# KiCad board Decent1200.kicad_pcb
title: Decent1200 keyboard; date: 2023-11-20; rev: 3; company: Decent Consulting
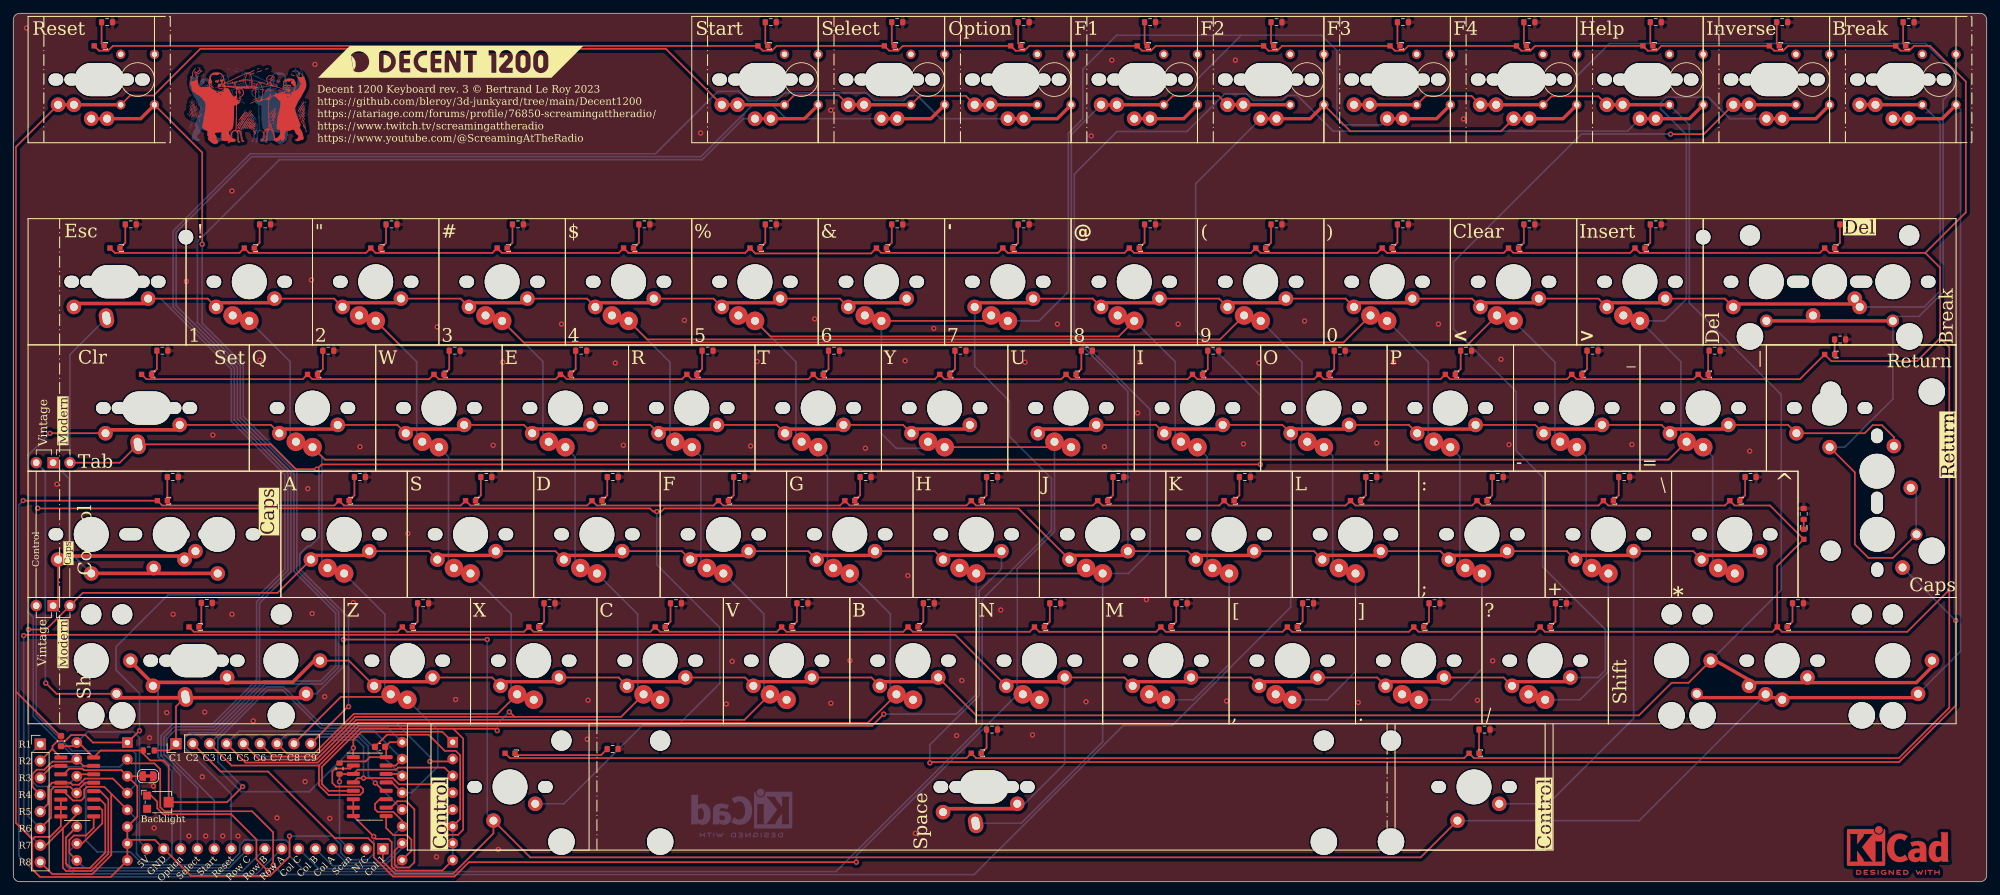
[diagram p0: board, top side]
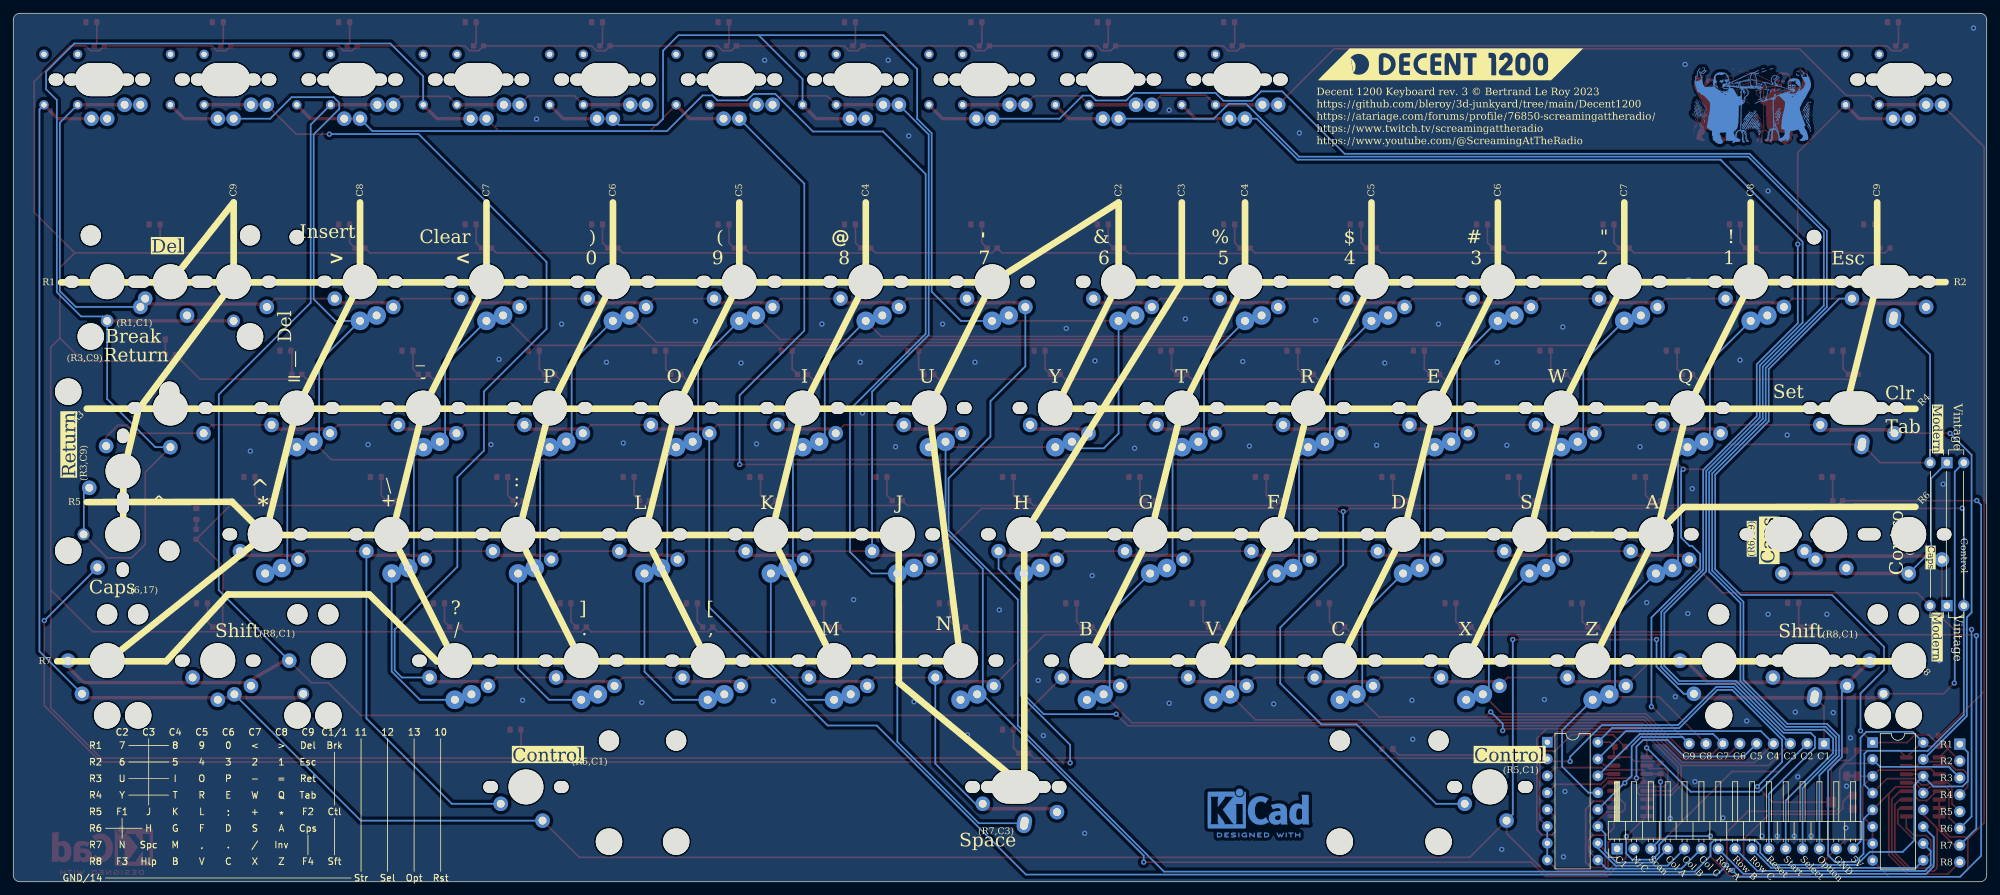
[diagram p1: board, bottom side, seen from below]

Outline 297.36 x 131 mm; copper layers: Top, Bottom. Coordinates in mm from the lower left corner of the outline.
Outline path: 0,130 arc(0.29,130.71) 1,131 296.36,131 arc(297.07,130.71) 297.36,130 297.36,1 arc(297.07,0.29) 296.36,0 1,0 arc(0.29,0.29) 0,1 0,130

## Placement (name value [footprint] x y rotation side)
C1  100nF  [C_0603_1608Metric]  7.19 21.22 270 top
C2  100nF  [C_0603_1608Metric]  55.26 20.35 0 top
G***  DECENT 1200  [LOGO]  65.91 123.69 0 top
G***#2  LOGO  [ScreamingAtTheRadio]  35.32 118.12 0 top
G***#3  -  [ScreamingAtTheRadio]  35.32 118.13 180 bottom
G***#4  -  [LOGO]  80.8 123.31 180 bottom
J1  Conn_01x15  [PinHeader_1x15_P2.54mm_Horizontal]  55.69 4.97 90 bottom
J2  Conn_01x09_Pin  [PinHeader_1x09_P2.54mm_Vertical]  24.52 20.82 90 top
J3  Conn_01x08_Pin  [PinHeader_1x08_P2.54mm_Vertical]  4.07 20.75 0 top
JP1  Jumper_3_Bridged12  [PinHeader_1x03_P2.54mm_Horizontal]  3.46 63.21 90 top
JP2  Jumper_3_Bridged12  [PinHeader_1x03_P2.54mm_Horizontal]  3.46 41.64 90 top
JP4  SolderJumper_2_Bridged  [SolderJumper-2_P1.3mm_Bridged_RoundedPad1.0x1.5mm]  20.14 15.92 0 top
R1  R  [R_0603_1608Metric]  114.14 129.65 0 top
R2  R  [R_0603_1608Metric]  221.69 22.95 0 top
R3  R  [R_0603_1608Metric]  285.59 129.65 0 top
R4  R  [R_0603_1608Metric]  90.31 20.02 0 top
R5  R  [R_0603_1608Metric]  29.16 42.07 0 top
R6  R  [R_0603_1608Metric]  268.93 42 0 top
R7  R  [R_0603_1608Metric]  133.19 129.65 0 top
R8  R  [R_0603_1608Metric]  152.24 99.15 0 top
R9  R  [R_0603_1608Metric]  133.19 99.15 0 top
R10  R  [R_0603_1608Metric]  161.77 80.1 0 top
R11  R  [R_0603_1608Metric]  142.72 80.1 0 top
R12  R  [R_0603_1608Metric]  171.29 129.65 0 top
R13  R  [R_0603_1608Metric]  157.01 42 0 top
R14  R  [R_0603_1608Metric]  209.39 129.65 0 top
R15  R  [R_0603_1608Metric]  152.24 129.65 0 top
R16  R  [R_0603_1608Metric]  166.53 61.05 0 top
R17  R  [R_0603_1608Metric]  147.48 61.05 0 top
R18  R  [R_0603_1608Metric]  147.48 22.95 0 top
R19  R  [R_0603_1608Metric]  247.49 129.65 0 top
R20  R  [R_0603_1608Metric]  14.13 129.65 0 top
R21  R  [R_0603_1608Metric]  171.29 99.15 0 top
R22  R  [R_0603_1608Metric]  114.14 99.15 0 top
R23  R  [R_0603_1608Metric]  180.82 80.1 0 top
R24  R  [R_0603_1608Metric]  123.67 80.1 0 top
R25  R  [R_0603_1608Metric]  185.58 61.05 0 top
R26  R  [R_0603_1608Metric]  128.43 61.05 0 top
R27  R  [R_0603_1608Metric]  176.06 42 0 top
R28  R  [R_0603_1608Metric]  137.96 42 0 top
R29  R  [R_0603_1608Metric]  190.34 99.15 0 top
R30  R  [R_0603_1608Metric]  95.09 99.15 0 top
R31  R  [R_0603_1608Metric]  199.87 80.1 0 top
R32  R  [R_0603_1608Metric]  104.62 80.1 0 top
R33  R  [R_0603_1608Metric]  204.63 61.05 0 top
R34  R  [R_0603_1608Metric]  109.38 61.05 0 top
R35  R  [R_0603_1608Metric]  195.11 42 0 top
R36  R  [R_0603_1608Metric]  118.91 42 0 top
R37  R  [R_0603_1608Metric]  24.04 61.05 0 top
R38  R  [R_0603_1608Metric]  209.39 99.15 0 top
R39  R  [R_0603_1608Metric]  76.04 99.15 0 top
R40  R  [R_0603_1608Metric]  218.92 80.1 0 top
R41  R  [R_0603_1608Metric]  85.57 80.1 0 top
R42  R  [R_0603_1608Metric]  223.68 61.05 0 top
R43  R  [R_0603_1608Metric]  90.33 61.05 0 top
R44  R  [R_0603_1608Metric]  214.16 42 0 top
R45  R  [R_0603_1608Metric]  99.86 42 0 top
R46  R  [R_0603_1608Metric]  228.44 99.15 0 top
R47  R  [R_0603_1608Metric]  56.99 99.15 0 top
R48  R  [R_0603_1608Metric]  237.97 80.1 0 top
R49  R  [R_0603_1608Metric]  66.52 80.1 0 top
R50  R  [R_0603_1608Metric]  242.73 61.05 0 top
R51  R  [R_0603_1608Metric]  71.28 61.05 0 top
R52  R  [R_0603_1608Metric]  233.21 42 0 top
R53  R  [R_0603_1608Metric]  80.81 42 0 top
R54  R  [R_0603_1608Metric]  247.49 99.15 0 top
R55  R  [R_0603_1608Metric]  37.94 99.15 0 top
R56  R  [R_0603_1608Metric]  256.36 80.11 0 top
R57  R  [R_0603_1608Metric]  47.47 80.1 0 top
R58  R  [R_0603_1608Metric]  261.78 61.05 0 top
R59  R  [R_0603_1608Metric]  52.23 61.05 0 top
R60  R  [R_0603_1608Metric]  266.54 129.65 0 top
R61  R  [R_0603_1608Metric]  61.76 42 0 top
R62  R  [R_0603_1608Metric]  276.07 99.15 0 top
R63  R  [R_0603_1608Metric]  17.7 99.15 0 top
R64  R  [R_0603_1608Metric]  275.27 81.79 0 top
R65  R  [R_0603_1608Metric]  22.47 80.1 0 top
R66  R  [R_0603_1608Metric]  190.34 129.65 0 top
R67  R  [R_0603_1608Metric]  269.78 55.48 90 top
R68  R  [R_0603_1608Metric]  228.44 129.65 0 top
R69  4k7  [R_0603_1608Metric]  49.16 17.07 270 top
R70  4k7  [R_0603_1608Metric]  20.42 19.8 0 top
REF**  -  [MountingHole_2.2mm_M2]  26.02 97.23 0 top
REF**#2  -  [MountingHole_2.2mm_M2]  254.64 97.23 0 top
REF**#3  -  [KiCad-Logo2_6mm_Copper]  283.96 5.42 0 top
REF**#4  -  [KiCad-Logo2_6mm_Copper]  109.73 11.06 180 bottom
REF**#5  -  [Atari1200XL_Matrix]  254.96 12.06 180 bottom
RV1  R_Potentiometer  [Potentiometer_Bourns_TC33X_Vertical]  21.97 12 0 top
SW0  0  [MX-1-00U-LED]  207.01 95.58 0 top
SW1  1  [MX-1-00U-LED]  35.56 95.58 0 top
SW2  2  [MX-1-00U-LED]  54.61 95.58 0 top
SW3  3  [MX-1-00U-LED]  73.66 95.58 0 top
SW4  4  [MX-1-00U-LED]  92.71 95.58 0 top
SW5  5  [MX-1-00U-LED]  111.76 95.58 0 top
SW6  6  [MX-1-00U-LED]  130.81 95.58 0 top
SW7  7  [MX-1-00U-LED]  149.86 95.58 0 top
SW8  8  [MX-1-00U-LED]  168.91 95.58 0 top
SW9  9  [MX-1-00U-LED]  187.96 95.58 0 top
SWA1  A  [MX-1-00U-LED]  49.85 57.48 0 top
SWB1  B  [MX-1-00U-LED]  135.58 38.43 0 top
SWBrk1  Break  [MX-1-00_1-25U-LED-Console]  284.4 126.08 0 top
SWC1  C  [MX-1-00U-LED]  97.48 38.43 0 top
SWComma1  Comma  [MX-1-00U-LED]  192.73 38.43 0 top
SWCps1  Caps  [MX-1-25U-CAPS-LED]  269.8 52.4 0 top
SWCtl1  Control  [MX-1-25U-LED]  74.85 19.38 0 top
SWCtl2  Control  [MX-1-25U-LED]  220.11 19.38 0 top
SWCtlCaps1  ControlCaps  [MX-1-75_2-00U-LED]  22.47 57.48 0 top
SWD1  D  [MX-1-00U-LED]  87.95 57.48 0 top
SWDash1  Dash  [MX-1-00U-LED]  235.59 76.53 0 top
SWDel2  Delete  [MX-2-00U-LED]  273.69 95.58 0 top
SWE1  E  [MX-1-00U-LED]  83.19 76.53 0 top
SWEqual1  Equal  [MX-1-00U-LED]  254.64 76.53 0 top
SWEsc1  Esc  [MX-1-00_1-25U-LED]  15.32 95.58 0 top
SWF1  F  [MX-1-00U-LED]  107 57.48 0 top
SWFn1  F1  [MX-1-00_1-25U-LED-Console]  170.1 126.08 0 top
SWFn2  F2  [MX-1-00_1-25U-LED-Console]  189.15 126.08 0 top
SWFn3  F3  [MX-1-00_1-25U-LED-Console]  208.2 126.08 0 top
SWFn4  F4  [MX-1-00_1-25U-LED-Console]  227.25 126.08 0 top
SWG1  G  [MX-1-00U-LED]  126.05 57.48 0 top
SWGT1  >  [MX-1-00U-LED]  245.11 95.58 0 top
SWH1  H  [MX-1-00U-LED]  145.1 57.48 0 top
SWHlp1  Help  [MX-1-00_1-25U-LED-Console]  246.3 126.08 0 top
SWI1  I  [MX-1-00U-LED]  178.44 76.53 0 top
SWInv1  Inverse  [MX-1-00_1-25U-LED-Console]  265.35 126.08 0 top
SWJ1  J  [MX-1-00U-LED]  164.15 57.48 0 top
SWK1  K  [MX-1-00U-LED]  183.2 57.48 0 top
SWL1  L  [MX-1-00U-LED]  202.25 57.48 0 top
SWLeftSft1  Shift  [MX-2-25_2-50U-LED]  27.23 38.43 0 top
SWLT1  <  [MX-1-00U-LED]  226.06 95.58 0 top
SWM1  M  [MX-1-00U-LED]  173.68 38.43 0 top
SWN1  N  [MX-1-00U-LED]  154.63 38.43 0 top
SWO1  O  [MX-1-00U-LED]  197.49 76.53 0 top
SWOption1  Option  [MX-1-00_1-25U-LED-Console]  151.05 126.08 0 top
SWP1  P  [MX-1-00U-LED]  216.54 76.53 0 top
SWPeriod1  Period  [MX-1-00U-LED]  211.78 38.43 0 top
SWPlus1  Plus  [MX-1-00U-LED]  240.35 57.48 0 top
SWQ1  Q  [MX-1-00U-LED]  45.09 76.53 0 top
SWR1  R  [MX-1-00U-LED]  102.24 76.53 0 top
SWReset1  Reset  [MX-1-00_1-25U-LED-Console]  12.94 126.08 0 top
SWRet1  Return  [MX-ISO-RETURN]  275.75 61.92 0 top
SWRet2  Return  [MX-1-50U-RETURN-LED]  273.69 79.53 0 top
SWRightSft1  Shift  [MX-2-75U-LED]  266.54 38.43 0 top
SWS1  S  [MX-1-00U-LED]  68.9 57.48 0 top
SWSelect1  Select  [MX-1-00_1-25U-LED-Console]  132 126.08 0 top
SWSemi1  Semicolon  [MX-1-00U-LED]  221.3 57.48 0 top
SWSlash1  Slash  [MX-1-00U-LED]  230.83 38.43 0 top
SWSpc1  Space  [MX-6-25U-LED]  145.1 19.38 0 top
SWStar1  Star  [MX-1-00U-LED]  259.4 57.48 0 top
SWStart1  Start  [MX-1-00_1-25U-LED-Console]  112.95 126.08 0 top
SWT1  T  [MX-1-00U-LED]  121.29 76.53 0 top
SWTab1  Tab  [MX-1-50_1-75U-LED]  20.08 76.53 0 top
SWU1  U  [MX-1-00U-LED]  159.39 76.53 0 top
SWV1  V  [MX-1-00U-LED]  116.53 38.43 0 top
SWW1  W  [MX-1-00U-LED]  64.14 76.53 0 top
SWX1  X  [MX-1-00U-LED]  78.43 38.43 0 top
SWY1  Y  [MX-1-00U-LED]  140.34 76.53 0 top
SWZ1  Z  [MX-1-00U-LED]  59.38 38.43 0 top
U1  4051  [SOIC-16_3.9x9.9mm_P1.27mm]  9.64 14.3 0 top
U2  4051  [SOIC-16_3.9x9.9mm_P1.27mm]  53.71 14.35 0 top
U3  4051  [DIP-16_W7.62mm]  17.19 21 180 bottom
U4  4051  [DIP-16_W7.62mm]  66.22 21.05 180 bottom

## Library data of the parts
C1 C2 = -: Description: Unpolarized capacitor; JLCPCB Part #: C14663
J1 = -: Description: Generic connector, single row, 01x15, script generated (kicad-library-utils/schlib/autogen/connector/)
J2 = -: Description: Generic connector, single row, 01x09, script generated
J3 = -: Description: Generic connector, single row, 01x08, script generated
JP1 JP2 = -: Description: Jumper, 3-pole, pins 1+2 closed/bridged
JP4 = -: Description: Solder Jumper, 2-pole, open
R1-R68 = -: Description: Resistor; JLCPCB Part #: C22775
R69 R70 = -: Description: Resistor; JLCPCB Part #: C23162
RV1 = -: Description: Potentiometer; JLCPCB Part #: C720647; JLCPCB Rotation Offset: -90
SW0-SW9 SWA1 SWB1 SWBrk1 SWC1 SWComma1 SWCtl1 SWCtl2 SWCtlCaps1 SWD1 SWDash1 SWDel2 SWE1 SWEqual1 SWEsc1 SWF1 SWFn1-SWFn4 SWG1 SWGT1 SWH1 SWHlp1 SWI1 SWInv1 SWJ1 SWK1 SWL1 SWLeftSft1 SWLT1 SWM1 SWN1 SWO1 SWOption1 SWP1 SWPeriod1 SWPlus1 SWQ1 SWR1 SWReset1 SWRet1 SWRet2 SWRightSft1 SWS1 SWSelect1 SWSemi1 SWSlash1 SWSpc1 SWStar1 SWStart1 SWT1 SWTab1 SWU1 SWV1 SWW1 SWX1 SWY1 SWZ1 = -: JLCPCB Part #: C193191; JLCPCB Rotation Offset: 180
SWCps1 = -: JLCPCB Part #: C193191; JLCPCB Rotation Offset: 270
U1-U4 = -: Description: Analog Multiplexer 8 to 1 lins; JLCPCB Part #: C21379; JLCPCB Rotation Offset: -90

## Footprints (pads in the part's own frame, mm; a bottom-side part is the same pattern mirrored in y, then rotated)
C_0603_1608Metric
  rrect 0.9x0.95 smd: 1(-0.775,0) 2(0.775,0)
DIP-16_W7.62mm
  rect 1.6x1.6 hole 0.8: 1(0,0)
  oval 1.6x1.6 hole 0.8: 2(0,-2.54) 3(0,-5.08) 4(0,-7.62) 5(0,-10.16) 6(0,-12.7) 7(0,-15.24) 8(0,-17.78) 9(7.62,-17.78) 10(7.62,-15.24) 11(7.62,-12.7) 12(7.62,-10.16) 13(7.62,-7.62) 14(7.62,-5.08) 15(7.62,-2.54) 16(7.62,0)
MountingHole_2.2mm_M2
  round 2.2 hole 2.2 unplated: (0,0)
MX-1-00_1-25U-LED
  oval 2.2x1.8 hole 2.2x1.8 unplated: (-6.521,-5.08) (-4.139,-5.08) (4.139,-5.08) (6.521,-5.08)
  oval 7.381x5 hole 7.381x5 unplated: (0,-5.08)
  oval 3x2.2 hole 2x1.2 rot 100: 1(-1.279,-10.56)
  round 2.2 hole 1.2: 2(-6.191,-8.88) 2(4.991,-7.62)
  rect 10.076x0.537 smd: 2(-0.531,-8.359)
  rect 0.8x0.8 smd: 3(0.75,0) 4(-0.75,0)
MX-1-00_1-25U-LED-Console
  oval 2.2x1.8 hole 2.2x1.8 unplated: (-6.521,-5.08) (-4.139,-5.08) (4.139,-5.08) (6.521,-5.08)
  oval 7.381x5 hole 7.381x5 unplated: (0,-5.08)
  round 1.397 hole 0.813: (3.254,-1.27) (8.334,-1.27) 1(8.334,-8.89) 2(3.254,-8.89)
  round 2.2 hole 1.2: 1(-1.191,-10.98) 1(1.191,-10.98) 2(-6.191,-8.88) 2(-3.809,-8.88)
  rect 7x0.5 smd: 1(2.87,-10.98)
  rect 0.5x3 smd rot 135: 1(7.25,-9.99)
  rect 10x0.5 smd: 2(-1.61,-8.88)
  rect 0.8x0.8 smd: 3(0.75,0) 4(-0.75,0)
MX-1-00U-LED
  oval 2.2x1.8 hole 2.2x1.8 unplated: (-5.33,-5.08) (5.33,-5.08)
  round 5.25 hole 5.25 unplated: (0,-5.08)
  round 2.8 hole 1.2: 1(-2.5,-10.16) 1(0,-10.98)
  round 2.2 hole 1.2: 2(-5,-8.88) 2(3.8,-7.62)
  rect 7.64x0.5 smd: 2(-0.67,-8.25)
  rect 0.8x0.8 smd: 3(0.75,0) 4(-0.75,0)
MX-1-25U-CAPS-LED
  round 5.25 hole 5.25 unplated: (11.08,0)
  oval 1.8x2.2 hole 1.8x2.2 unplated: (11.08,-5.33)
  round 1.8 hole 1.2: 1(16.98,0)
  round 2.2 hole 1.2: 2(14.88,-5)
  rect 0.8x0.8 smd: 3(0,0.75) 4(0,-0.75)
MX-1-25U-LED
  oval 2.2x1.8 hole 2.2x1.8 unplated: (-5.33,-5.08) (5.33,-5.08)
  round 5.25 hole 5.25 unplated: (0,-5.08)
  round 2.2 hole 1.2: 1(-2.5,-10.16) 2(3.8,-7.62)
  rect 0.8x0.8 smd: 3(0.75,0) 4(-0.75,0)
MX-1-50_1-75U-LED
  oval 2.2x1.8 hole 2.2x1.8 unplated: (-6.521,-5.08) (-4.139,-5.08) (4.139,-5.08) (6.521,-5.08)
  oval 7.381x5 hole 7.381x5 unplated: (0,-5.08)
  oval 3x2.2 hole 2x1.2 rot 100: 1(-1.279,-10.56)
  round 2.2 hole 1.2: 2(-6.191,-8.88) 2(4.991,-7.62)
  rect 10.076x0.537 smd: 2(-0.531,-8.359)
  rect 0.8x0.8 smd: 3(0.75,0) 4(-0.75,0)
MX-1-50U-RETURN-LED
  oval 2.2x1.8 hole 2.2x1.8 unplated: (-5.33,-8.08) (5.33,-8.08)
  round 5.25 hole 5.25 unplated: (0,-8.08)
  round 2.2 hole 1.2: 1(0,-13.98) 2(-5,-11.88)
  rect 0.8x0.8 smd: 3(0.75,0) 4(-0.75,0)
MX-1-75_2-00U-LED
  oval 2.2x1.8 hole 2.2x1.8 unplated: (-16.046,-5.08) (3.004,-5.08) (6.521,-5.08) (13.664,-5.08)
  round 5.25 hole 5.25 unplated: (-10.716,-5.08) (1.191,-5.08) (8.334,-5.08)
  oval 3.446x1.8 hole 3.446x1.8 unplated: (-4.763,-5.08)
  round 2.2 hole 1.2: 1(-10.716,-10.98) 1(-1.309,-10.16) 1(8.334,-10.98) 2(-15.716,-8.88) 2(3.334,-8.88) 2(4.991,-7.62)
  rect 20x0.537 smd: 1(-1.309,-10.97) 2(-6.2,-8.35)
  rect 0.8x0.8 smd: 3(0.75,0) 4(-0.75,0)
MX-2-00U-LED
  oval 2.2x1.8 hole 2.2x1.8 unplated: (-14.855,-5.08) (14.855,-5.08)
  round 3.048 hole 3.048 unplated: (-12,1.905) (12,1.905)
  round 3.988 hole 3.988 unplated: (-12,-13.335) (12,-13.335)
  round 5.25 hole 5.25 unplated: (-9.525,-5.08) (0,-5.08) (9.525,-5.08)
  oval 3.335x1.8 hole 3.335x1.8 unplated: (-4.763,-5.08) (4.763,-5.08)
  round 1.9 hole 1.2: 1(-9.525,-10.98) 1(9.525,-10.98)
  round 2.2 hole 1.2: 1(-2.5,-10.16) 2(-14.525,-8.88) 2(3.8,-7.62) 2(4.525,-8.88)
  rect 18x0.5 smd: 1(0,-10.98) 2(-5,-8.43)
  rect 0.8x0.8 smd: 3(0.75,0) 4(-0.75,0)
MX-2-25_2-50U-LED
  round 3.048 hole 3.048 unplated: (-15.478,1.905) (-10.809,1.905)
  round 5.25 hole 5.25 unplated: (-15.478,-5.08) (13.097,-5.08)
  round 3.988 hole 3.988 unplated: (-15.478,-13.335) (-10.809,-13.335)
  oval 2.2x1.8 hole 2.2x1.8 unplated: (-6.521,-5.08) (-4.139,-5.08) (4.139,-5.08) (6.521,-5.08)
  oval 7.381x5 hole 7.381x5 unplated: (0,-5.08)
  oval 3.142x3.048 hole 3.142x3.048 unplated: (13.144,1.905)
  oval 4.082x3.988 hole 4.082x3.988 unplated: (13.144,-13.335)
  round 1.8 hole 1.2: 1(-11.678,-10.08)
  oval 3x2.2 hole 2x1.2 rot 100: 1(-1.279,-10.56)
  rect 28x0.537 smd: 1(2.49,-10.67)
  round 2.2 hole 1.2: 1(16.897,-10.08) 2(-9.578,-5.08) 2(-6.191,-8.88) 2(4.991,-7.62) 2(18.997,-5.08)
  rect 5x0.537 smd rot 135: 2(-7.82,-6.93)
  rect 21x0.537 smd: 2(4.45,-8.359)
  rect 5x0.537 smd rot 45: 2(16.53,-6.67)
  rect 0.8x0.8 smd: 3(0.75,0) 4(-0.75,0)
MX-2-75U-LED
  round 3.048 hole 3.048 unplated: (-16.669,1.905) (-12,1.905) (12,1.905) (16.669,1.905)
  round 5.25 hole 5.25 unplated: (-16.669,-5.08) (0,-5.08) (16.669,-5.08)
  round 3.988 hole 3.988 unplated: (-16.669,-13.335) (-12,-13.335) (12,-13.335) (16.669,-13.335)
  oval 2.2x1.8 hole 2.2x1.8 unplated: (-5.33,-5.08) (5.33,-5.08)
  round 1.8 hole 1.2: 1(-12.869,-10.08)
  round 2.2 hole 1.2: 1(-2.5,-10.16) 1(0,-10.98) 1(20.469,-10.08) 2(-10.769,-5.08) 2(-5,-8.88) 2(3.8,-7.62) 2(22.569,-5.08)
  rect 33x0.5 smd: 1(3.63,-10.66)
  rect 7.64x0.5 smd rot 150: 2(-7.79,-6.38)
  rect 25x0.5 smd: 2(7.82,-8.39)
  rect 4x0.5 smd rot 45: 2(21.55,-7.05)
  rect 0.8x0.8 smd: 3(0.75,0) 4(-0.75,0)
MX-6-25U-LED
  round 3.048 hole 3.048 unplated: (-62.5,1.905) (-47.619,1.905) (52.381,1.905) (62.5,1.905)
  round 3.988 hole 3.988 unplated: (-62.5,-13.335) (-47.619,-13.335) (52.381,-13.335) (62.5,-13.335)
  oval 2.2x1.8 hole 2.2x1.8 unplated: (-5.33,-5.08) (-2.949,-5.08) (5.33,-5.08) (7.711,-5.08)
  oval 7.381x5 hole 7.381x5 unplated: (1.191,-5.08)
  oval 3x2.2 hole 2x1.2 rot 100: 1(-0.089,-10.56)
  round 2.2 hole 1.2: 2(-5,-8.88) 2(6.181,-7.62)
  rect 10.076x0.537 smd: 2(0.659,-8.359)
  rect 0.8x0.8 smd: 3(0.75,0) 4(-0.75,0)
MX-ISO-RETURN
  round 3.048 hole 3.048 unplated: (-1.905,12) (-1.905,-12)
  oval 1.8x2.2 hole 1.8x2.2 unplated: (5.08,5.33)
  round 5.25 hole 5.25 unplated: (5.08,0)
  oval 1.8x3.34 hole 1.8x3.34 unplated: (5.08,-4.76)
  round 3.988 hole 3.988 unplated: (13.335,12) (13.335,-12)
  round 2.2 hole 1.2: 1(10.16,-2.5) 2(7.62,3.8)
PinHeader_1x03_P2.54mm_Horizontal
  round 1.7 hole 1: 1(0,0)
  rect 1.7x1.7 hole 1: 2(0,-2.54)
  oval 1.7x1.7 hole 1: 3(0,-5.08)
PinHeader_1x08_P2.54mm_Vertical
  rect 1.7x1.7 hole 1: 1(0,0)
  oval 1.7x1.7 hole 1: 2(0,-2.54) 3(0,-5.08) 4(0,-7.62) 5(0,-10.16) 6(0,-12.7) 7(0,-15.24) 8(0,-17.78)
PinHeader_1x09_P2.54mm_Vertical
  rect 1.7x1.7 hole 1: 1(0,0)
  oval 1.7x1.7 hole 1: 2(0,-2.54) 3(0,-5.08) 4(0,-7.62) 5(0,-10.16) 6(0,-12.7) 7(0,-15.24) 8(0,-17.78) 9(0,-20.32)
PinHeader_1x15_P2.54mm_Horizontal
  rect 1.7x1.7 hole 1: 1(0,0)
  oval 1.7x1.7 hole 1: 2(0,-2.54) 3(0,-5.08) 4(0,-7.62) 5(0,-10.16) 6(0,-12.7) 7(0,-15.24) 8(0,-17.78) 9(0,-20.32) 10(0,-22.86) 11(0,-25.4) 12(0,-27.94) 13(0,-30.48) 14(0,-33.02) 15(0,-35.56)
Potentiometer_Bourns_TC33X_Vertical
  rect 1.2x1.2 smd: 1(-1.8,1) 3(-1.8,-1)
  rect 1.5x1.6 smd: 2(1.45,0)
R_0603_1608Metric
  rrect 0.8x0.95 smd: 1(-0.825,0) 2(0.825,0)
SOIC-16_3.9x9.9mm_P1.27mm
  rrect 1.95x0.6 smd: 1(-2.475,4.445) 2(-2.475,3.175) 3(-2.475,1.905) 4(-2.475,0.635) 5(-2.475,-0.635) 6(-2.475,-1.905) 7(-2.475,-3.175) 8(-2.475,-4.445) 9(2.475,-4.445) 10(2.475,-3.175) 11(2.475,-1.905) 12(2.475,-0.635) 13(2.475,0.635) 14(2.475,1.905) 15(2.475,3.175) 16(2.475,4.445)
SolderJumper-2_P1.3mm_Bridged_RoundedPad1.0x1.5mm
  custom 1x0.5 smd: 1(-0.65,0) 2(1.01,0)
  rect 1.7x0.5 smd: 2(0.18,0.02)

## Nets
GND: C1.1 C2.1 J1.14 JP4.1 SWOption1.2 SWReset1.2 SWSelect1.2 SWStart1.2 U1.3 U1.6 U1.7 U1.8 U2.6 U2.7 U2.8 U3.3 U3.6 U3.7 U3.8 U4.6 U4.7 U4.8
VCC_LED: RV1.1 SW0.4 SW1.4 SW2.4 SW3.4 SW4.4 SW5.4 SW6.4 SW7.4 SW8.4 SW9.4 SWA1.4 SWB1.4 SWBrk1.4 SWC1.4 SWComma1.4 SWCps1.4 SWCtl1.4 SWCtl2.4 SWCtlCaps1.4 SWD1.4 SWDash1.4 SWDel2.4 SWE1.4 SWEqual1.4 SWEsc1.4 SWF1.4 SWFn1.4 SWFn2.4 SWFn3.4 SWFn4.4 SWG1.4 SWGT1.4 SWH1.4 SWHlp1.4 SWI1.4 SWInv1.4 SWJ1.4 SWK1.4 SWL1.4 SWLeftSft1.4 SWLT1.4 SWM1.4 SWN1.4 SWO1.4 SWOption1.4 SWP1.4 SWPeriod1.4 SWPlus1.4 SWQ1.4 SWR1.4 SWReset1.4 SWRet2.4 SWRightSft1.4 SWS1.4 SWSelect1.4 SWSemi1.4 SWSlash1.4 SWSpc1.4 SWStar1.4 SWStart1.4 SWT1.4 SWTab1.4 SWU1.4 SWV1.4 SWW1.4 SWX1.4 SWY1.4 SWZ1.4
VDD: C1.2 C2.2 J1.15 R69.1 R70.1 RV1.2 U1.16 U2.16 U3.16 U4.16
COL_1: J1.1 J2.1 JP1.1 R70.2 SWBrk1.1 SWCtl1.1 SWCtl2.1 SWLeftSft1.1 SWRightSft1.1
COL_2: J2.2 SW6.1 SW7.1 SWFn1.1 SWFn3.1 SWN1.1 SWU1.1 SWY1.1 U2.1 U4.1
COL_3: J2.3 SWH1.1 SWHlp1.1 SWJ1.1 SWSpc1.1 U2.2 U4.2
COL_4: J2.4 SW5.1 SW8.1 SWB1.1 SWG1.1 SWI1.1 SWK1.1 SWM1.1 SWT1.1 U2.15 U4.15
COL_5: J2.5 SW4.1 SW9.1 SWComma1.1 SWF1.1 SWL1.1 SWO1.1 SWR1.1 SWV1.1 U2.4 U4.4
COL_6: J2.6 SW0.1 SW3.1 SWC1.1 SWD1.1 SWE1.1 SWP1.1 SWPeriod1.1 SWSemi1.1 U2.5 U4.5
COL_7: J2.7 SW2.1 SWDash1.1 SWLT1.1 SWPlus1.1 SWS1.1 SWSlash1.1 SWW1.1 SWX1.1 U2.14 U4.14
COL_8: J2.8 SW1.1 SWA1.1 SWEqual1.1 SWGT1.1 SWInv1.1 SWQ1.1 SWStar1.1 SWZ1.1 U2.13 U4.13
COL_9: J2.9 JP1.3 SWCps1.1 SWDel2.1 SWEsc1.1 SWFn2.1 SWFn4.1 SWRet1.1 SWRet2.1 SWTab1.1 U2.12 U4.12
LED_GND: JP4.2 R1.2 R2.2 R3.2 R4.2 R5.2 R6.2 R7.2 R8.2 R9.2 R10.2 R11.2 R12.2 R13.2 R14.2 R15.2 R16.2 R17.2 R18.2 R19.2 R20.2 R21.2 R22.2 R23.2 R24.2 R25.2 R26.2 R27.2 R28.2 R29.2 R30.2 R31.2 R32.2 R33.2 R34.2 R35.2 R36.2 R37.2 R38.2 R39.2 R40.2 R41.2 R42.2 R43.2 R44.2 R45.2 R46.2 R47.2 R48.2 R49.2 R50.2 R51.2 R52.2 R53.2 R54.2 R55.2 R56.2 R57.2 R58.2 R59.2 R60.2 R61.2 R62.2 R63.2 R64.2 R65.2 R66.2 R67.2 R68.2
OPTION: J1.13 SWOption1.1
RESET: J1.10 SWReset1.1
ROW_1: J3.1 SW0.2 SW7.2 SW8.2 SW9.2 SWBrk1.2 SWDel2.2 SWGT1.2 SWLT1.2 U1.14 U3.14
ROW_2: J3.2 SW1.2 SW2.2 SW3.2 SW4.2 SW5.2 SW6.2 SWEsc1.2 U1.1 U3.1
ROW_3: J3.3 SWDash1.2 SWEqual1.2 SWI1.2 SWO1.2 SWP1.2 SWRet1.2 SWRet2.2 SWU1.2 U1.2 U3.2
ROW_4: J3.4 SWE1.2 SWQ1.2 SWR1.2 SWT1.2 SWTab1.2 SWW1.2 SWY1.2 U1.15 U3.15
ROW_5: J3.5 JP2.1 SWCtl1.2 SWCtl2.2 SWFn1.2 SWFn2.2 SWJ1.2 SWK1.2 SWL1.2 SWPlus1.2 SWSemi1.2 SWStar1.2 U1.4 U3.4
ROW_6: J3.6 JP2.3 SWA1.2 SWCps1.2 SWD1.2 SWF1.2 SWG1.2 SWH1.2 SWS1.2 U1.13 U3.13
ROW_7: J3.7 SWComma1.2 SWInv1.2 SWM1.2 SWN1.2 SWPeriod1.2 SWSlash1.2 SWSpc1.2 U1.12 U3.12
ROW_8: J3.8 SWB1.2 SWC1.2 SWFn3.2 SWFn4.2 SWHlp1.2 SWLeftSft1.2 SWRightSft1.2 SWV1.2 SWX1.2 SWZ1.2 U1.5 U3.5
SELECT: J1.12 SWSelect1.1
START: J1.11 SWStart1.1
Net-(J1-Pin_3): J1.3 R69.2 U2.3 U4.3
Net-(J1-Pin_4): J1.4 U2.11 U4.11
Net-(J1-Pin_5): J1.5 U2.10 U4.10
Net-(J1-Pin_6): J1.6 U2.9 U4.9
Net-(J1-Pin_7): J1.7 U1.11 U3.11
Net-(J1-Pin_8): J1.8 U1.10 U3.10
Net-(J1-Pin_9): J1.9 U1.9 U3.9
Net-(JP1-C): JP1.2 SWCtlCaps1.1
Net-(JP2-C): JP2.2 SWCtlCaps1.2
Net-(R1-Pad1): R1.1 SWStart1.3
Net-(R2-Pad1): R2.1 SWCtl2.3
Net-(R3-Pad1): R3.1 SWBrk1.3
Net-(R4-Pad1): R4.1 SWCtl1.3
Net-(R5-Pad1): R5.1 SWLeftSft1.3
Net-(R6-Pad1): R6.1 SWRightSft1.3
Net-(R7-Pad1): R7.1 SWSelect1.3